# Altium PCB PCB1.PcbDoc (part 2 of 2)
Units mm, origin at the board's own origin, x right, y up, seen from the top; angles counter-clockwise.
Board outline 92 x 94 mm, 4 copper layers (Top Layer, GROUND, POWER, Bottom Layer), stack 1.369 mm thick; 127 components, 88 nets, 454 pads, 113 vias.
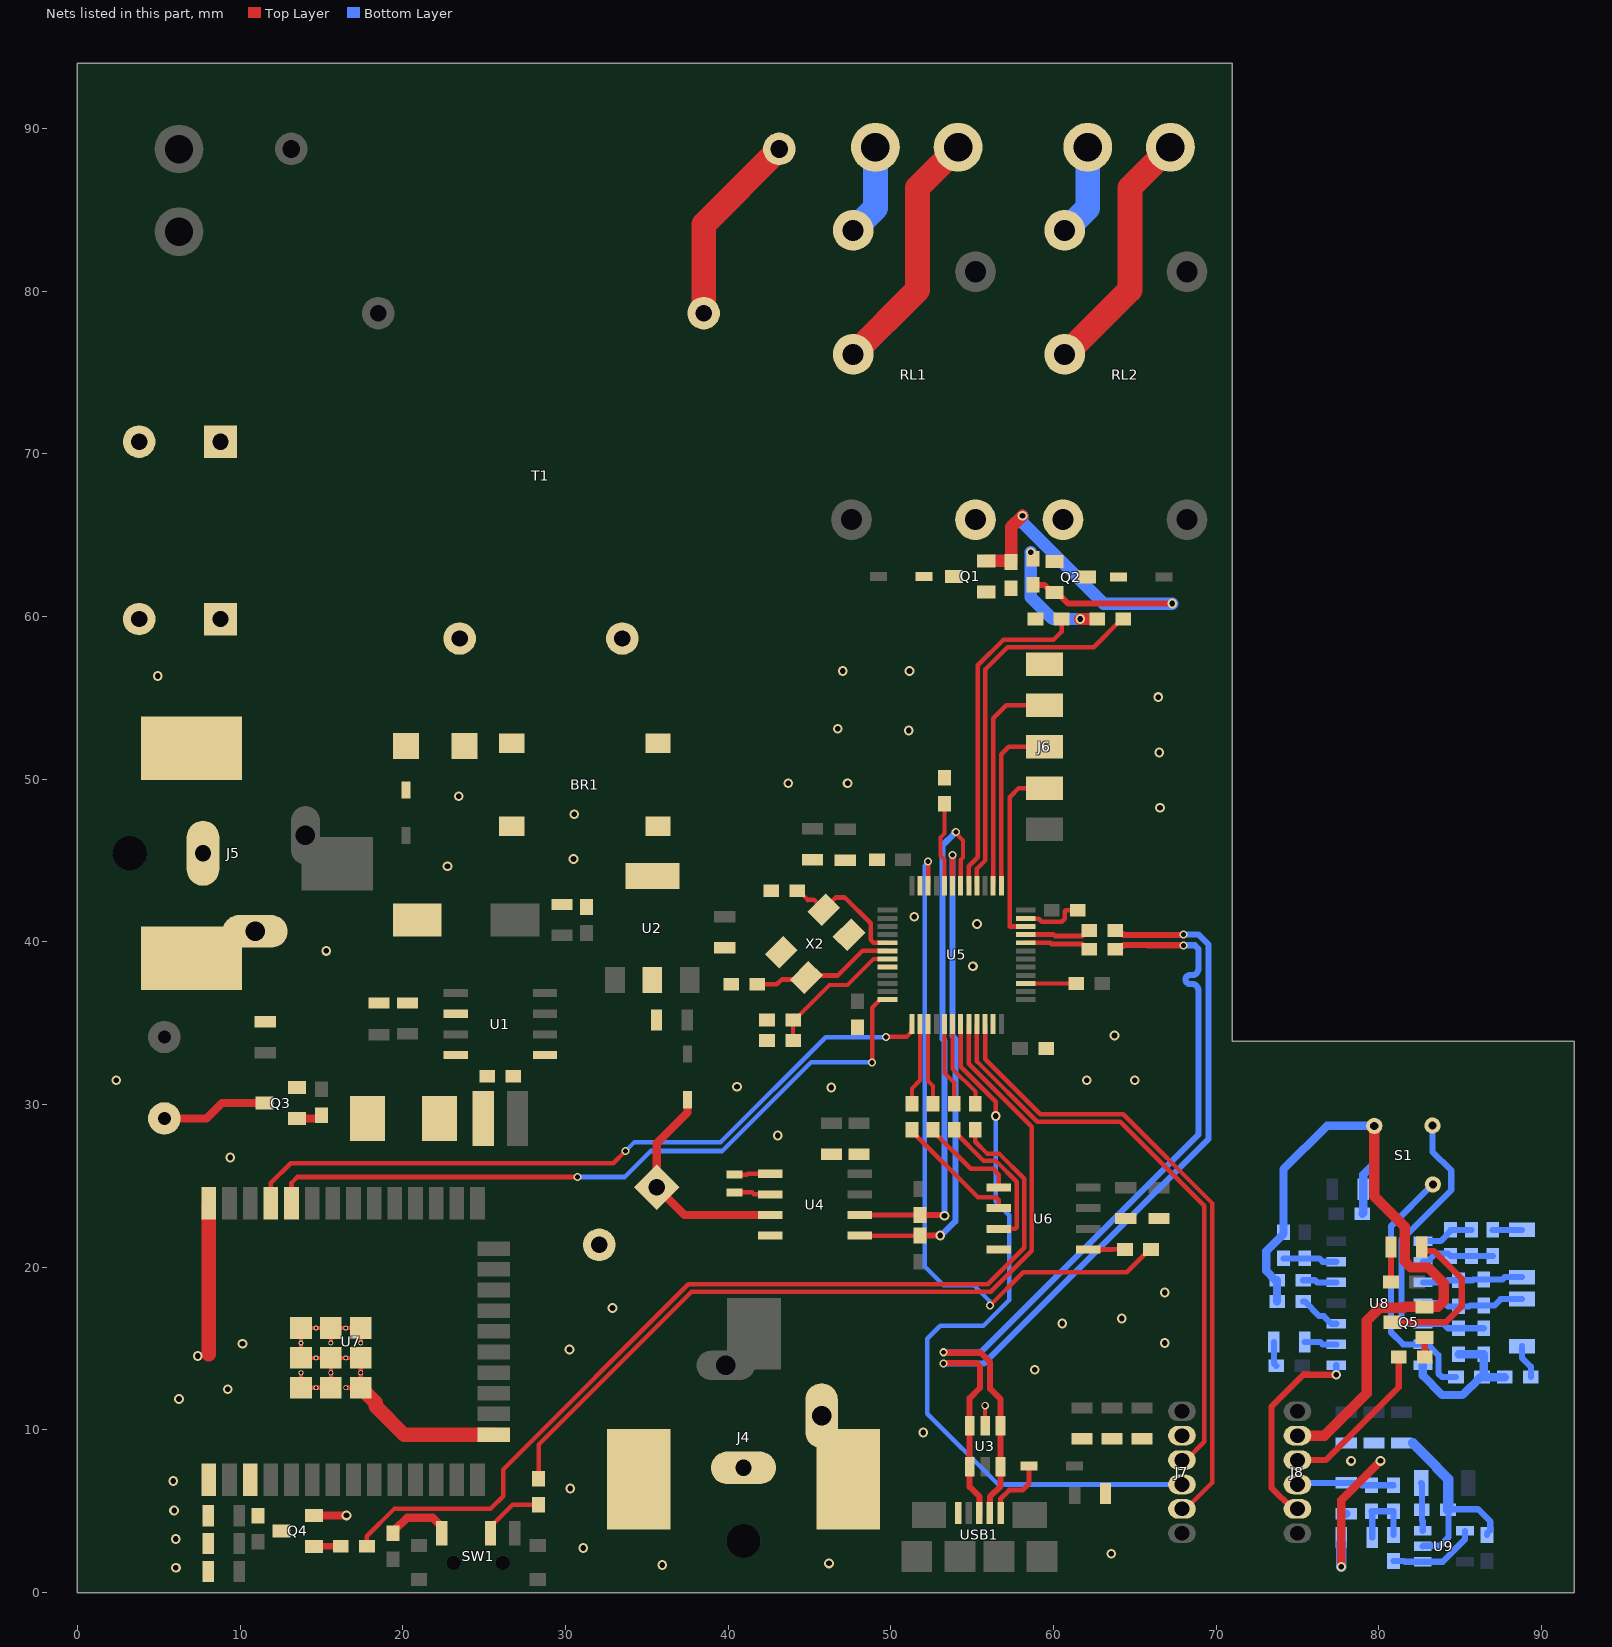
[diagram p4: the nets of this part, all layers, seen from the top]

## Via types
v1: diameter 0.6, hole 0.35, Top Layer to Bottom Layer, tented both sides, 91 vias
v2: diameter 0.5, hole 0.3, Top Layer to Bottom Layer, tented both sides, 11 vias
v3: diameter 0.5, hole 0.3, GROUND to Bottom Layer, tented both sides, 5 vias
v4: diameter 0.5, hole 0.3, Top Layer to GROUND, tented both sides, 4 vias
v5: diameter 0.45, hole 0.3, Top Layer to Bottom Layer, tented both sides, 2 vias

## Nets (pads, with @x,y where several pads share a name; then routed paths per layer and width w, separated by ;. In a path a pad name is that pad's centre, name@x,y a point inside that pad or via, vN(x,y) a via of type N, cw(c..) or ccw(c..) an arc to the next point about the centre after c; other vN are vias at no path point) (continued)
GND: BR1.4 C1.2 C2.2 C3.1 C4.1 C5.2 C7.1 C8.1 C9.1 C10.1 C11.1 C12.1 C13.1 C14.1 C15.2 C16.2 C17.1 C18.1 C19.2 C20.2 C21.1 C22.1 C23.1 C24.1 C25.1 C26.1 C27.1 C28.1 C29.1 C30.1 C31.1 C32.1 D4.1 J4.2 J4.3 J5.2 J5.3 J6.5 J7.2 Q1.2 Q2.2 Q3.2 Q4.2 R4.1 R5.1 R9.1 R10.1 U1.6 U2.2 U3.2 U4.4 U5.8 U5.23 U5.35 U5.47 U6.4 U7.1 U7.15 U7.38 U7.39 USB1.5 X2.2 X2.4 | length 69
  Top Layer w0.254: U7.39@13.75,13.515 U7.39@13.75,12.597 U7.39@14.667,12.597 U7.39@15.585,12.597 U7.39@15.585,13.515 U7.39@15.585,14.432 ; U7.39@15.585,15.35 U7.39@15.585,16.267 ; U7.39@16.502,12.597 U7.39@17.42,12.597 U7.39@17.42,13.515 U7.39@17.42,14.432 U7.39@16.502,14.432 U7.39@15.585,14.432 ; U7.39@17.42,15.35 U7.39@17.42,16.267 U7.39@16.502,16.267 U7.39@15.585,16.267 ; U3.2@55.8,10.255 v5(55.8,11.5) ; U7.39@15.585,14.432 U7.39@14.667,14.432 U7.39@13.75,14.432 U7.39@13.75,15.35 U7.39@13.75,16.267 U7.39@14.667,16.267 U7.39@15.585,16.267
  Top Layer w0.279: 58.95,41.42 59.105,41.42 59.286,41.239 60.514,41.239 60.7,41.425 60.7,41.886 60.764,41.95 C26.1@61.5,41.95
  Top Layer w0.381: R5.1@58.75,61.75 58.753,61.75 58.953,61.95 59.45,61.95 59.923,61.477 60.233,61.477 60.91,60.8 v1(67.3,60.8)
  Top Layer w0.508: Q4.2@14.545,4.75 v1(16.55,4.75)
  Top Layer w0.762: Q1.2@55.872,63.423 57.387,63.423 R4.1@57.4,63.41 ; R4.1@57.4,63.35 R4.1@57.4,63.41 ; v1(58.1,66.2) 57.4,65.5 R4.1@57.4,63.41
  Top Layer w0.889: 8.085,14.644 U7.38@8.085,23.932 ; U7.39@17.42,12.597 18.339,11.678 18.339,11.461 20.083,9.717 U7.15@25.595,9.717
  Bottom Layer w0.762: v1(58.1,66.2) 58.1,65.784 63.084,60.8 v1(67.3,60.8)
  other v1: 6.06,1.532 35.95,1.7 46.2,1.8 63.55,2.4 31.1,2.75 6.05,3.3 5.95,5.05 30.3,6.4 5.9,6.868 52,9.85 6.25,11.9 9.25,12.5 58.85,13.7 7.4,14.55 30.25,14.95 10.15,15.3 66.85,15.35 60.55,16.55 64.2,16.85 32.9,17.5 66.85,18.45 9.4,26.75 43.05,28.1 46.35,31.05 40.55,31.1 2.4,31.5 62.05,31.5 65,31.5 63.75,34.25 55.05,38.5 15.3,39.45 55.3,41.1 51.45,41.55 22.75,44.65 30.5,45.1 30.55,47.85 66.55,48.25 23.45,48.95 43.7,49.75 47.35,49.75 66.5,51.65 51.1,53 46.75,53.1 66.45,55.05 4.95,56.35 47.05,56.65 51.15,56.65
GND_S: C33.1 C34.1 C37.1 C39.1 C40.1 C41.1 C43.1 C44.1 C45.1 C46.1 C47.1 J8.2 Q5.2 R28.2 R29.2 R30.1 R31.2 R37.1 S1.3 U8.7 U9.2 | length 80.9
  Top Layer w0.508: v1(77.7,1.6) 77.7,5.7 v1(80.1,8.1)
  Top Layer w0.635: J8.2@75,9.65 76.65,9.65 79.263,12.263 79.263,16.709 80.072,17.518 81.535,17.518 81.59,17.573 Q5.2@82.822,17.573 83.631,17.573 84.003,17.945 84.003,19.024 83.038,19.989 81.967,19.989 81.595,20.361 81.595,22.505 79.724,24.376 S1.3@79.724,28.694
  Bottom Layer w0.381: U9.2@82.7,2.85 82.733,2.883 83.771,2.883 84.284,3.395 R37.1@84.284,5.1 ; R37.1@84.372,5.133 86.104,5.133 86.856,4.381 86.856,3.845 86.65,3.639 C45.1@86.65,3.55
  Bottom Layer w0.508: R29.2@73.75,17.9 R28.2@73.75,19.2 73.661,19.2 73.088,19.773 73.088,20.999 74.15,22.061 C37.1@74.15,22.15 74.15,26.032 76.812,28.694 S1.3@79.724,28.694 79.724,26.378 79.05,25.704 C34.1@79.05,24.8 79.05,23.35 C33.1@79,23.3 ; C46.1@77.7,3.05 C46.1@77.7,3.4 ; C47.1@77.796,4.754 77.892,4.85 C47.1@78,4.85 ; U8.7@82.71,13.99 82.71,13.34 83.9,12.15 85.137,12.15 85.664,12.677 85.688,12.677 86.261,13.25 C43.1@86.35,13.25 ; R30.1@84.9,14.65 C44.1@86.45,14.65 86.45,13.35 C43.1@86.35,13.25 ; R31.2@87.75,13.25 C43.1@86.35,13.25
  Bottom Layer w0.635: v1(77.7,1.6) C46.1@77.7,3.05 ; 82.1,9.2 83.545,7.755 83.545,7.705 84.269,6.981 R37.1@84.269,5.1
  other v1: 78.3,8.1
LED_DRIVER: J7.3 U5.21 | length 36.3
  Top Layer w0.279: U5.21@55.3,34.95 55.3,32.65 59.007,28.943 64.107,28.943 69.268,23.782 69.268,9.268 68.15,8.15 J7.3@67.9,8.15
LED_S: J8.3 R33.1 | length 9.9
  Top Layer w0.381: J8.3@75,8.15 76.75,8.15 81.223,12.623 R33.1@81.223,14.477
"LIGHT 1 GND": J2.2 RL1.3 | length 5.7
  Bottom Layer w1.524: RL1.3@47.69,83.74 49.06,85.11 J2.2@49.06,88.85
"LIGHT 1 VCC": J2.1 RL1.2 | length 15.4
  Top Layer w1.524: RL1.2@47.69,76.12 51.65,80.08 51.65,86.36 J2.1@54.14,88.85
"LIGHT 2 GND": J3.2 RL2.3 | length 5.7
  Bottom Layer w1.524: RL2.3@60.74,83.74 62.11,85.11 J3.2@62.11,88.85
"LIGHT 2 VCC": J3.1 RL2.2 | length 15.4
  Top Layer w1.524: RL2.2@60.74,76.12 64.7,80.08 64.7,86.36 J3.1@67.19,88.85
MCU_N: R6.1 U5.32 | length 4.1
  Top Layer w0.3: U5.32@58.3,39.95 58.302,39.952 59.8,39.952 59.875,39.877 61.784,39.877 62.111,39.55 R6.1@62.2,39.55
MCU_P: R7.1 U5.33 | length 4.1
  Top Layer w0.3: U5.33@58.3,40.45 58.302,40.448 60.005,40.448 60.08,40.373 61.784,40.373 62.111,40.7 R7.1@62.2,40.7
NetBR1_1: BR1.1 T1.9
NetBR1_2: BR1.2 T1.7
NetBR1_3: BR1.3 F1.1
NetBZ1_1: BZ1.1 Q3.3 | length 6.6
  Top Layer w0.508: BZ1.1@5.35,29.15 7.95,29.15 8.9,30.1 Q3.3@11.51,30.1
NetC1_1: C1.1 C2.1 D8.2 F1.2
NetC6_1: C6.1 U1.1
NetC6_2: C6.2 D4.2 L1.1 U1.8
NetC15_1: C15.1 U5.6 X2.1 | length 8.8
  Top Layer w0.279: C15.1@41.8,37.4 43,37.4 43.29,37.69 44.696,37.69 X2.1@44.82,37.814 44.943,37.938 46.753,37.938 48.265,39.45 U5.6@49.8,39.45
NetC16_1: C16.1 D5.1 U4.3 | length 13.8
  Top Layer w0.508: D5.1@37.5,30.3 37.5,29.521 35.618,27.639 C16.1@35.618,24.918 37.321,23.215 U4.3@42.6,23.215
NetC19_1: C19.1 U5.5 X2.3 | length 8.1
  Top Layer w0.279: C19.1@44.25,43.15 44.339,43.15 44.912,42.577 44.943,42.608 45.259,42.608 X2.3@45.88,41.986 46.626,42.731 47.169,42.731 48.761,41.139 48.761,40.125 48.936,39.95 U5.5@49.8,39.95
NetC35_1: C35.1 R24.1 R25.2 U8.2 | length 4.6
  Bottom Layer w0.381: U8.2@82.71,20.34 83.01,20.34 83.11,20.439 83.11,20.459 83.5,20.85 84.25,20.85 C35.1@84.4,20.7 R24.1@85.7,20.7 R25.2@87,20.7
NetC35_2: C35.2 R24.2 U8.1 | length 3.3
  Bottom Layer w0.381: U8.1@82.71,21.61 83.799,21.61 84.4,22.211 C35.2@84.4,22.3 R24.2@85.7,22.3
NetC36_1: C36.1 C38.1 R27.2 U8.3 | length 6.2
  Bottom Layer w0.381: U8.3@82.71,19.07 84.122,19.07 84.252,19.2 R27.2@84.9,19.2 85.752,19.2 85.802,19.25 C38.1@86.45,19.25 87.596,19.25 87.746,19.4 C36.1@88.8,19.4
NetC36_2: C36.2 R25.1 | length 1.8
  Bottom Layer w0.381: R25.1@87,22.3 C36.2@88.8,22.3
NetC37_2: C37.2 R23.1 U8.13 | length 3.3
  Bottom Layer w0.381: C37.2@74.15,20.55 R23.1@75.45,20.55 76.336,20.55 76.546,20.34 U8.13@77.39,20.34
NetC38_2: C38.2 C42.2 R27.1 U8.4 | length 6.4
  Bottom Layer w0.381: U8.4@82.71,17.8 84.052,17.8 84.252,17.6 R27.1@84.9,17.6 85.548,17.6 85.598,17.65 C38.2@86.45,17.65 87.098,17.65 87.498,18.05 C42.2@88.8,18.05
NetC42_1: C42.1 R31.1 | length 2.1
  Bottom Layer w0.381: C42.1@88.8,15.15 88.8,14.446 89.348,13.898 89.35,13.898 R31.1@89.35,13.25
NetC43_2: C43.2 S1.1 U8.6 | length 16
  Bottom Layer w0.381: S1.1@83.324,25.094 80.75,22.521 80.75,16 81.49,15.26 83.01,15.26 83.668,14.602 83.668,13.473 83.891,13.25 C43.2@84.75,13.25
NetC44_2: C44.2 R30.2 S1.2 U8.5 | length 19
  Bottom Layer w0.381: S1.2@83.298,28.711 83.298,27.108 84.45,25.957 84.45,24.751 81.4,21.701 81.4,16.753 81.623,16.53 83.972,16.53 84.252,16.25 R30.2@84.9,16.25 C44.2@86.45,16.25
NetC46_2: C46.2 R34.1 R35.2 R36.1 | length 4.4
  Bottom Layer w0.381: C46.2@79.6,3.4 79.6,4.95 R36.1@79.55,5 R34.1@80.9,5 R35.2@80.9,3.55
NetD1_2: D1.2 Q1.3 RL1.4
NetD2_2: D2.2 Q2.3 RL2.5
NetD3_2: D3.2 USB1.1 | length 4.1
  Top Layer w0.305: USB1.1@56.75,4.888 56.75,5.769 57.281,6.3 58.1,6.3 58.5,6.7 D3.2@58.5,7.8
NetD6_1: D6.1 R26.1 | length 1.5
  Bottom Layer w0.381: D6.1@73.55,15.4 73.55,14.1 R26.1@73.7,13.95
NetD6_2: D6.2 U8.9 | length 2
  Bottom Layer w0.381: D6.2@75.45,15.4 76.406,15.4 76.546,15.26 U8.9@77.39,15.26
NetD7_1: D7.1 R32.1 | length 2
  Top Layer w0.381: R32.1@80.75,19 D7.1@80.75,21
NetD7_2: D7.2 Q5.3 | length 9.5
  Top Layer w0.381: Q5.3@80.832,16.623 84.123,16.623 85.1,17.6 85.1,19.3 83.4,21 D7.2@82.65,21
NetJ7_5: J7.5 U5.22 | length 39.5
  Top Layer w0.279: U5.22@55.8,34.95 55.8,32.8 59.2,29.4 64.3,29.4 69.75,23.95 69.75,6.75 68.15,5.15 J7.5@67.9,5.15
NetJ8_5: J8.5 U8.8 | length 12.5
  Top Layer w0.381: J8.5@75,5.15 74.7,5.15 73.4,6.45 73.4,11.443 75.353,13.395 v1(77.39,13.395)
  Bottom Layer w0.381: v1(77.39,13.395) U8.8@77.39,13.99
NetQ1_1: Q1.1 R2.1 R4.2
NetQ2_1: Q2.1 R3.1 R5.2 | length 7.4
  Top Layer w0.762: v1(61.65,59.85) R3.1@62.7,59.85
  Bottom Layer w0.762: v1(58.6,63.955) 58.6,61.2 59.95,59.85 v1(61.65,59.85)
NetQ3_1: Q3.1 R16.2 | length 1.1
  Top Layer w0.508: Q3.1@13.5,29.15 14.6,29.15
NetQ4_1: Q4.1 R20.2 | length 1.7
  Top Layer w0.381: Q4.1@14.545,2.85 16.15,2.85 R20.2@16.2,2.8
NetQ5_1: Q5.1 R33.2 | length 1.2
  Top Layer w0.381: R33.2@82.822,14.493 Q5.1@82.822,15.673
NetR1_2: R1.2 T1.1 | length 12
  Top Layer w1.524: T1.1@38.5,78.65 38.5,84.1 R1.2@43.15,88.75
NetR2_2: R2.2 U5.41 | length 20.6
  Top Layer w0.279: U5.41@54.8,43.45 54.8,44.65 55.35,45.2 55.35,57 56.93,58.58 60.005,58.58 60.5,59.075 R2.2@60.5,59.85
NetR3_2: R3.2 U5.40 | length 23.3
  Top Layer w0.279: U5.40@55.3,43.45 55.3,44.503 55.807,45.011 55.807,56.75 57.18,58.122 62.484,58.122 64.211,59.85 R3.2@64.3,59.85
NetR8_1: R8.1 U5.18 | length 5.5
  Top Layer w0.254: U5.18@53.8,34.95 53.8,32.2 55.2,30.8 R8.1@55.2,30.05
NetR10_2: R10.2 U5.44 | length 5.3
  Top Layer w0.254: U5.44@53.3,43.45 53.3,45.065 53.05,45.315 53.05,46.41 53.3,46.66 R10.2@53.3,48.5
NetR11_1: R11.1 U5.27 | length 3.1
  Top Layer w0.254: U5.27@58.3,37.45 59.281,37.45 R11.1@61.4,37.45
NetR12_1: R12.1 U6.1 | length 6
  Top Layer w0.279: R12.1@52.6,28.45 52.6,28.361 54.911,26.05 56.3,26.05 56.65,25.7 U6.1@56.65,24.905
NetR13_1: R13.1 U6.3 | length 9.2
  Top Layer w0.279: R13.1@53.9,28.45 53.9,28.361 55.724,26.537 56.467,26.537 57.75,25.254 57.75,22.461 57.654,22.365 U6.3@56.65,22.365
NetR14_1: R14.1 U6.2 | length 7.7
  Top Layer w0.279: R14.1@51.3,28.45 51.3,28.361 55.361,24.3 56.489,24.3 56.65,24.139 U6.2@56.65,23.635
NetR15_1: R15.1 U6.5 | length 2.3
  Top Layer w0.279: U6.5@62.15,21.095 63.658,21.095 63.663,21.1 R15.1@64.4,21.1
NetR21_1: R21.1 SW1.1 | length 4.1
  Top Layer w0.508: R21.1@19.4,3.65 19.54,3.79 19.54,3.879 20.261,4.6 21.85,4.6 22.304,4.146 22.304,3.746 SW1.1@22.4,3.65
NetR22_2: R22.2 SW1.2 | length 3.9
  Top Layer w0.279: SW1.2@25.4,3.65 25.4,4.05 26.75,5.4 R22.2@28.35,5.4
NetR28_1: R28.1 U8.12 | length 2.1
  Bottom Layer w0.381: R28.1@75.35,19.2 76.087,19.2 76.217,19.07 U8.12@77.39,19.07
NetR29_1: R29.1 U8.10 | length 2.6
  Bottom Layer w0.381: R29.1@75.35,17.9 75.439,17.9 76.339,17 76.62,17 77.09,16.53 U8.10@77.39,16.53
NetR35_1: R35.1 U9.1 U9.4 | length 5.5
  Bottom Layer w0.381: R35.1@80.9,1.95 81.548,1.95 81.598,1.9 U9.1@82.7,1.9 83.929,1.9 85.3,3.271 U9.4@85.3,3.8
NetR37_2: R37.2 RT1.1 U9.3 | length 3
  Bottom Layer w0.381: RT1.1@82.6,6.75 82.65,6.7 82.65,4.452 82.7,4.402 U9.3@82.7,3.8
NetU4_1: U4.1 X1.2 | length 2.2
  Top Layer w0.279: X1.2@40.4,25.7 41.154,25.7 41.209,25.755 U4.1@42.6,25.755
NetU4_2: U4.2 X1.1 | length 2.2
  Top Layer w0.279: X1.1@40.4,24.6 41.481,24.6 41.596,24.485 U4.2@42.6,24.485
NRST: C20.1 R9.2 U5.7 | length 8.6
  Top Layer w0.254: C20.1@44,33.95 44,34.598 R9.2@44,35.2 44.089,35.2 46.232,37.343 47.331,37.343 48.938,38.95 U5.7@49.8,38.95
RTC_SCL: R17.1 U4.6 U5.42 | length 32.7
  Top Layer w0.254: v2(54,46.75) 54,46.683 54.45,46.233 54.45,45.198 54.3,45.048 U5.42@54.3,43.45
  Top Layer w0.279: U4.6@48.1,23.215 R17.1@51.785,23.215
  Top Layer w0.381: R17.1@51.796,23.215 53.195,23.215 53.245,23.165 v1(53.305,23.165)
  Bottom Layer w0.381: v1@53.309,23.25 53.309,33.914 53.182,34.042 53.182,45.932 v2(54,46.75)
RTC_SDA: R18.1 U4.5 U5.43 | length 30.8
  Top Layer w0.279: U4.5@48.1,21.945 51.755,21.945 R18.1@51.8,21.9
  Top Layer w0.305: U5.43@53.8,43.45 v2(53.8,45.35)
  Top Layer w0.381: R18.1@51.755,21.995 R18.1@51.8,21.95 v1(53.05,21.95)
  Bottom Layer w0.381: v1@53.05,21.9 53.977,22.827 53.977,34.036 53.8,34.214 v2(53.8,45.35)
"SENSOR ON/OFF": R22.1 U5.20 | length 52.9
  Top Layer w0.279: R22.1@28.35,7 28.35,9.1 37.75,18.5 56.151,18.5 58.664,21.014 58.664,28.639 54.8,32.503 U5.20@54.8,34.95
SWCLK: J6.3 U5.37 | length 10.9
  Top Layer w0.279: U5.37@56.8,43.45 56.8,51.543 57.257,52 J6.3@59.45,52
SWDIO: J6.2 U5.34 | length 11.3
  Top Layer w0.279: U5.34@58.3,40.95 57.309,40.95 57.309,48.905 57.864,49.46 J6.2@59.45,49.46
TDI: J6.4 U5.38 | length 13.8
  Top Layer w0.279: U5.38@56.3,43.45 56.3,53.75 57.09,54.54 J6.4@59.45,54.54
TEMP_ADC: C47.2 J8.4 R34.2 R36.2 | length 6
  Bottom Layer w0.381: J8.4@75,6.65 75.1,6.75 78.8,6.75 78.95,6.6 R34.2@80.9,6.6
TEMP_IN_CS: R14.2 U5.14 | length 5.1
  Top Layer w0.254: R14.2@51.3,30.05 51.3,31 51.8,31.5 U5.14@51.8,34.95
TEMP_IN_OT: R15.2 U5.46 | length 43
  Top Layer w0.279: U5.46@52.3,43.45 v2(52.3,44.95) ; v2(56.102,17.648) 58.153,19.7 64.511,19.7 65.911,21.1 R15.2@66,21.1
  Bottom Layer w0.279: v2(52.3,44.95) 52.3,44.89 52.1,44.69 52.1,20.05 53.238,18.912 55.088,18.912 56.1,17.9 56.1,17.65 v2(56.102,17.648)
TEMP_IN_SCLK: R12.2 U5.15 | length 5
  Top Layer w0.254: U5.15@52.3,34.95 52.3,31.45 52.6,31.15 R12.2@52.6,30.05
TEMP_IN_SIO: R13.2 U5.17 | length 5.6
  Top Layer w0.254: U5.17@53.3,35.428 53.3,31.95 53.9,31.35 R13.2@53.9,30.05
TEMPERATURE_ADC: J7.4 U5.19 | length 46.3
  Top Layer w0.279: U5.19@54.3,34.95 54.3,32.329 56.45,30.179 v1(56.45,29.3)
  Bottom Layer w0.279: v1(56.45,29.3) 56.45,24.042 57.288,23.204 57.288,17.988 55.7,16.4 53.05,16.4 52.25,15.6 52.25,11 56.6,6.65 J7.4@67.9,6.65
USB_N: R6.2 U3.1 U3.6 USB1.2 | length 51.9
  Top Layer w0.373: v2(53.25,14.775) 53.34,14.775 53.365,14.75 55.528,14.75 56.114,14.164 56.114,12.536 56.75,11.9 U3.1@56.75,10.255 56.75,6.55 56.089,5.889 56.089,4.899 USB1.2@56.1,4.888 ; R6.2@63.8,39.55 64.007,39.757 64.26,39.757 64.315,39.811 65.785,39.811 65.799,39.797 67.676,39.797 67.677,39.796 67.976,39.796 v2(68,39.772)
  Bottom Layer w0.373: v2(53.25,14.775) 55.525,14.775 68.909,28.159 68.909,36.85 68.909,37.037 ccw(c68.536,37.037) 68.536,37.41 68.396,37.41 cw(c68.396,37.686) 68.396,37.961 68.536,37.961 ccw(c68.536,38.334) 68.909,38.334 68.909,39.15 68.909,39.578 68.691,39.796 68.024,39.796 v2(68,39.772)
USB_P: R7.2 U3.3 U3.4 USB1.3 | length 51.9
  Top Layer w0.373: v2(53.25,14.097) 53.275,14.123 55.268,14.123 55.486,13.904 55.486,12.586 54.85,11.95 U3.3@54.85,10.255 U3.4@54.85,7.745 54.85,6.5 55.461,5.889 55.461,4.899 USB1.3@55.45,4.888 ; R7.2@63.8,40.7 64.007,40.493 64.26,40.493 64.315,40.439 66.045,40.439 66.059,40.425 67.676,40.425 67.677,40.426 67.976,40.426 v2(68,40.45)
  Bottom Layer w0.373: v2(53.25,14.097) 55.735,14.097 69.537,27.899 69.537,39.838 68.924,40.45 v2(68,40.45)
WIFI_EN: R8.2 R20.1 | length 58.3
  Top Layer w0.279: R20.1@17.8,2.85 17.8,3.475 19.497,5.172 25.422,5.172 26.173,5.923 26.173,7.57 37.561,18.957 55.961,18.957 58.207,21.203 58.207,25.443 56.656,26.994 55.919,26.994 55.2,27.713 R8.2@55.2,28.45
WIFI_OUT: Q4.3 R19.2 U7.3
WIFI_RXD: U5.12 U7.34 | length 44.5
  Top Layer w0.279: U7.34@13.165,23.932 13.165,25.187 13.528,25.55 v3(30.75,25.55) ; v4(48.85,32.6) 48.85,35.957 49.343,36.45 U5.12@49.8,36.45
  Bottom Layer w0.279: v3(30.75,25.55) 33.65,25.55 35.25,27.15 39.65,27.15 45.1,32.6 v4(48.85,32.6)
  other v3: 48.85,32.6
  other v4: 30.75,25.55
WIFI_TXD: U5.13 U7.35 | length 45
  Top Layer w0.279: U7.35@11.895,23.932 11.895,25.187 13.109,26.4 32.95,26.4 v3(33.7,27.15) ; v4(49.7,34.15) 49.711,34.161 50.968,34.161 51.3,34.493 U5.13@51.3,34.95
  Bottom Layer w0.279: v3(33.7,27.15) 34.25,27.7 39.553,27.7 46.003,34.15 v4(49.7,34.15)
  other v3: 49.7,34.15
  other v4: 33.7,27.15
pads on no net: J4. J5. J7.6 J8.6 RL1.1 RL2.1 SW1. SW1.3 U1.2 U1.3 U1.5 U4.7 U5.1 U5.2 U5.3 U5.4 U5.10 U5.11 U5.16 U5.25 U5.26 U5.28 U5.29 U5.30 U5.31 U5.39 U5.45 U6.6 U6.7 U7.4 U7.5 U7.6 U7.7 U7.8 U7.9 U7.10 U7.11 U7.12 U7.13 U7.14 U7.16 U7.17 U7.18 U7.19 U7.20 U7.21 U7.22 U7.23 U7.24 U7.25 U7.26 U7.27 U7.28 U7.29 U7.30 U7.31 U7.32 U7.33 U7.36 U7.37 U8.11 USB1. USB1.4

## Polygon pours and split planes (outlines as drawn)
no net on Top Layer "NONET_L-01_P-001" (solid, pour order 36): 621 vertices, not listed, extent 82.826,0.762 91.096,9.097
GND on Top Layer "GND_L01_P023" (solid, remove dead copper, pour order 23): 6.636,75.51 2.986,75.51 2.086,74.61 2.086,27.66 3.736,26.01 26.836,26.01 28.286,24.559 28.286,9.61 28.286,3.314 30.34,1.26 68.836,1.26 70.837,3.261 70.837,56.558 68.236,59.16 46.386,59.16 37.886,50.659 17.036,50.659 7.486,60.21 7.486,74.66
GND_S on Top Layer "Top Layer-GND_S" (solid, pour order 30): 71.95,2.453 73.803,0.6 82.4,0.6 82.4,7.9 83.8,9.3 90.05,9.3 91.4,10.65 91.35,10.7 91.35,13.55 91.4,13.55 91.3,30.7 89.2,32.8 74.453,32.8 71.95,30.297
GND on Top Layer "Top Layer-GND" (solid, pour order 22): 10.65,10.55 13.5,10.55 18.75,10.55 19.25,11.05 19.25,17 18.15,18.1 6.8,18.1 4.8,16.1 4.8,1.05 5.3,0.55 8.75,0.55 9.25,1.05 9.25,5.15 8.65,5.75 8.65,8.35
+3V3DC on Top Layer "+3V3DC_L01_P016" (solid, pour order 16): 36.795,31.85 38.15,31.85 38.55,32.25 38.55,39.859 39.258,40.567 40.117,40.567 41.15,41.6 41.15,44.6 42.467,45.917 49.792,45.917 50.15,45.559 50.15,44.681 51.05,44.083 51.05,42.867 51.45,42.867 51.45,45.959 49.542,47.867 42.042,47.867 38.742,44.567 36.3,42.125 36.3,32.4
NetBR1_2 on Top Layer "NONET_L-01_P-001" (solid, pour order 0): 22.4,60.85 21.4,59.85 21.4,57.65 22.5,56.55 27.6,56.55 33.3,50.85 36.95,50.85 37.35,51.25 37.35,53.15 36.95,53.55 34.5,53.55 27.2,60.85
NetBR1_1 on Top Layer "NONET_L-01_P-001" (solid, pour order 1): 32.85,60.85 31.65,59.65 31.65,57.85 33,56.5 35.85,56.5 38.6,53.75 38.6,49.9 37.45,48.75 34.45,48.75 33.9,48.2 33.9,46.85 34.4,46.35 39.2,46.35 40.9,48.05 40.9,55.95 36,60.85
NetC1_1 on Top Layer "NETC1_1_L01_P005" (solid, pour order 5): 6.8,71.95 7.85,73 9.85,73 10.95,71.9 10.95,60.5 17.9,53.55 20.5,53.55 21.25,52.8 21.25,49 20.45,48.2 19.4,48.2 18.25,48.2 9.1,57.35 7.85,57.35 6.8,58.4
+5VDC on Top Layer "Top Layer-+5VDC" (solid, pour order 10): 26.5,27.3 31.5,27.3 33.2,29 33.2,36.3 33.9,37 33.9,39 31.8,41.1 28.98,41.1 28.6,41.48 28.6,42.4 27.9,43.1 25.8,43.1 25,42.3 25,38.4 27.341,36.059 29.599,36.065 29.839,36.063 30.4,35.498 30.4,31.4 29.9,30.9 26.4,30.9 26.2,30.7 26.2,27.6
GND on Bottom Layer "Bottom Layer-GND" (solid, remove dead copper, pour order 25): 4.75,1.7 5.85,0.6 68.05,0.6 70.2,2.75 70.2,56.35 69.1,57.45 43.7,57.45 40.05,53.8 9.1,53.8 5.9,57 5.9,71.85 4.75,73 2.05,73 1.15,72.1 1.15,50.45 1.15,38 3.1,36.05 7.75,36.05 10.65,36.05 11.9,34.8 11.9,28.9 14.2,26.6 25.1,26.6 27.75,23.95 27.75,6.8 26.65,5.7 5.7,5.7 4.75,4.75
GND_S on Bottom Layer "NONET_L-01_P-001" (solid, remove dead copper, pour order 26): 89.2,32.8 91.3,30.7 91.3,2.7 89.2,0.6 73.803,0.6 71.95,2.453 71.95,30.297 74.453,32.8
no net on Top Solder "NONET_L-01_P-001" (solid, pour order 34): 621 vertices, not listed, extent 82.826,0.762 91.096,9.097
+3V3DC on POWER (split plane): 11.8,54.6 11.85,54.6 11.85,54.4 44.568,54.4 44.568,54.067 41.883,51.382 14.1,51.382 14.027,51.372 13.979,51.352 13.959,51.344 13.901,51.299 11.801,49.199 11.756,49.141 11.748,49.121 11.728,49.073 11.718,49 11.718,42.9 11.728,42.827 11.748,42.779 11.756,42.759 11.801,42.701 14.618,39.883 14.618,33.5 14.628,33.427 14.656,33.359 14.701,33.301 16.301,31.701 16.359,31.656 16.427,31.628 16.5,31.618 20.2,31.618 20.273,31.628 20.341,31.656 20.399,31.701 21.999,33.301 22.044,33.359 22.072,33.427 22.082,33.5 22.082,36.8 22.072,36.873 22.044,36.941 21.999,36.999 18.982,40.017 18.982,42.983 21.417,45.418 46.95,45.418 47.023,45.428 47.091,45.456 47.149,45.501 59.967,58.318 63.9,58.318 63.973,58.328 64.041,58.356 64.099,58.401 69.899,64.201 69.944,64.259 69.952,64.279 69.972,64.327 69.982,64.4 69.982,67.45 70.49,67.45 70.49,34.014 70.484,33.99 70.477,33.9 70.477,0.51 0.51,0.51 0.51,5.783 7.485,5.783 7.485,25.083 0.51,25.083 0.51,76.8 11.8,76.8
+12VDC on POWER (split plane): 69.418,64.517 63.783,58.882 59.85,58.882 59.777,58.872 59.709,58.844 59.651,58.799 46.833,45.982 21.3,45.982 21.227,45.972 21.179,45.952 21.159,45.944 21.101,45.899 18.501,43.299 18.456,43.241 18.428,43.173 18.418,43.1 18.418,39.9 18.428,39.827 18.448,39.779 18.456,39.759 18.501,39.701 21.518,36.683 21.518,33.617 20.083,32.182 16.617,32.182 15.182,33.617 15.182,40 15.172,40.073 15.156,40.113 15.144,40.141 15.099,40.199 12.282,43.017 12.282,48.883 14.217,50.818 42,50.818 42.073,50.828 42.121,50.848 42.141,50.856 42.199,50.901 45.049,53.751 45.094,53.809 45.122,53.877 45.132,53.95 45.132,67.083 45.499,67.45 49.451,67.45 49.618,67.283 49.618,65.4 49.628,65.327 49.648,65.279 49.656,65.259 49.701,65.201 52.851,62.051 52.909,62.006 52.977,61.978 53.05,61.968 62.25,61.968 62.323,61.978 62.391,62.006 62.449,62.051 65.799,65.401 65.844,65.459 65.872,65.527 65.882,65.6 65.882,67.283 66.049,67.45 69.418,67.45
+3V3DC_S on POWER (split plane): 91.49,0.51 71.623,0.51 71.623,33.39 91.49,33.39
+5VDC on POWER (split plane): 31.667,30.841 31.667,29.059 27.029,24.421 26.982,24.363 26.946,24.297 26.925,24.225 26.917,24.15 26.917,14.6 26.925,14.525 26.946,14.453 26.982,14.387 27.029,14.329 28.379,12.979 28.437,12.932 28.503,12.896 28.575,12.875 28.65,12.867 34.05,12.867 34.125,12.875 34.197,12.896 34.263,12.932 34.321,12.979 38.459,17.117 41.541,17.117 42.967,15.691 42.967,12.859 40.991,10.883 26.359,10.883 24.533,12.709 24.533,27.941 28.409,31.817 30.691,31.817
+3V3DC on POWER (split plane): 65.318,67.4 65.318,65.717 62.133,62.532 53.167,62.532 50.182,65.517 50.182,67.4 50.175,67.45 65.325,67.45
GND on GROUND (split plane): 11.85,54.4 45,54.4 45,67.45 70.49,67.45 70.49,33.964 70.484,33.94 70.477,33.85 70.477,0.51 0.51,0.51 0.51,5.683 7.135,5.683 7.135,25.083 0.51,25.083 0.51,76.8 11.85,76.8
GND_S on GROUND (split plane): 91.49,0.51 71.623,0.51 71.623,33.39 91.49,33.39

## Keep-outs
Top Layer:
  circle w0.254: c66.5,34 r1.5
Keep-Out Layer:
  the board outline again, w0.254

## Other copper
Top Layer:
  region: 66.5,34.5 cw(c66.5,34) 67,34 cw(c66.5,34) 66.5,33.5 cw(c66.5,34) 66,34 cw(c66.5,34)
  pour cut-out: 1016 vertices and 0 holes, not listed, extent 83.431,1.094 90.793,8.734
  pour cut-out: 226 vertices and 0 holes, not listed, extent 83.152,2.437 84.106,7.315
  pour cut-out: 1016 vertices and 0 holes, not listed, extent 83.431,1.094 90.793,8.734
  pour cut-out: 226 vertices and 0 holes, not listed, extent 83.152,2.437 84.106,7.315
  region net NetJ8_5: 74.05,5.8 74.05,4.8 74.35,4.5 75.65,4.5 76.3,5.15 75.65,5.8
  region net LED_S: 74.3,8.75 74.05,8.5 74.05,7.8 74.35,7.5 75.65,7.5 76.3,8.15 75.7,8.75
  region net GND_S: 74.3,10.25 74.05,10 74.05,9.3 74.35,9 75.65,9 76.3,9.65 75.7,10.25
  region net +3V3DC_S: 74.3,11.75 74.05,11.5 74.05,10.8 74.3,10.55 75.7,10.55 76.3,11.15 75.7,11.75
  pour cut-out: 56.424,33.959 57.65,32.734 57.65,32.3 58.801,31.149 58.801,30.852 58.848,30.852 59.924,29.776 59.355,29.776 56.176,32.956 56.176,33.959
  region net GND: 8.1,18.95 7.65,18.95 6.7,18 9.45,18 8.45,19
  region net +3V3DC: 8.8,5.95 9.15,5.6 9.45,5.6 9.6,5.45 9.6,0.65 13.05,0.65 13.6,1.2 13.6,1.4 13.05,1.95 12.05,1.95 11.7,2.3 11.7,3.4 11.45,3.65 10.7,3.65 10.45,3.9 10.45,5.3 9.9,5.85 9.9,8.05 9.75,8.2 8.95,8.2 8.8,8.05
  region net WIFI_OUT: 10.15,8.05 10.3,8.2 11.05,8.2 11.15,8.1 11.15,5.6 11.55,5.2 11.55,4.65 11.9,4.3 13.15,4.3 13.35,4.1 13.35,3.3 13.15,3.1 12.15,3.1 12,3.25 12,3.45 11.35,4.1 10.85,4.1 10.69,4.26 10.69,5.41 10.15,5.95
  region net +12VDC: 67.15,61.85 66.3,61.85 65.95,62.2 65.95,66.6 67,67.65 69.35,67.65 69.9,67.1 69.9,64.6 67.2,61.9
  region net NetD2_2: 61.4,61.9 61.8,61.5 64.6,61.5 64.9,61.8 64.9,62.55 64.6,62.85 63.05,62.85 62.65,63.25 62.65,66.8 61.9,67.55 59.7,67.55 59.2,67.05 59.2,65.2 59.7,64.7 60.95,64.7 61.4,64.25
  region net NetQ2_1: 58.405,64.45 60.5,64.45 60.95,64 60.95,62.95 60.7,62.7 58.3,62.7 58.1,62.9 58.1,64.115
  region net NetQ1_1: 55,62.1 55.35,62.45 57.85,62.45 58.1,62.2 58.1,60.8 58.45,60.45 59.3,60.45 59.6,60.15 59.6,59.25 59.4,59.05 55.55,59.05 55,59.6
  region net NetD1_2: 54.65,63.65 55.4,64.4 56.4,64.4 56.75,64.75 56.75,67.4 56.35,67.8 52.25,67.8 51.25,66.8 51.25,63.1 51.25,62.05 51.65,61.65 54.256,61.65 54.65,62.1 54.65,63.05
  region net +12VDC: 49.8,61.75 50.1,62.05 50.1,63.75 48.95,64.9 48.95,67.15 48.25,67.85 46.25,67.85 45.25,66.85 45.25,64.4 47.9,61.75
  region net +3V3DC: 68.65,10.55 61.4,10.55 60.75,11.2 60.75,12.85 61.35,13.45 65.4,13.45 65.95,12.9 65.95,12 66.2,11.75 68.65,11.75 68.9,11.5 68.9,10.8
  pour cut-out: 33.2,35.405 32.744,35.405 33.2,34.949 33.2,34.9
  pour cut-out: 33.9,35.4 33.9,36.7 32,36.7 32,38.7 31.2,39.5 28.4,39.5 28.012,39.112 28.012,38.388 28.4,38 30.3,38 31.2,37.1 31.2,35.801 31.581,35.417
  pour cut-out: 32,37.1 32.4,36.7
  region net NetC6_1: 26.472,33.4 29.7,33.4 30,33.1 30,31.5 29.7,31.2 26.4,31.2 26.133,31.467 26.133,33.062
  region net NetC6_2: 22.6,33.4 24.9,33.4 25.9,32.4 25.9,27.6 25.2,26.9 21.6,26.9 20.7,27.8 20.7,30.5 21.09,30.89 21.79,30.89 22,31.1 22,32.002 22,32.8
  region net +12VDC: 17.9,35 21.1,35 21.4,34.7 24,34.7 24.2,34.5 24.2,34.1 24,33.9 21.5,33.9 21.3,33.7 21.3,33.2 21.1,33 17.9,33 17.6,33.3 17.6,34.7
  region net +12VDC: 18.3,47.5 16.15,49.65 13.3,49.65 12.3,48.65 12.3,43.65 14.1,41.85 17.35,41.85 18.4,42.9 18.4,44.8 19.2,45.6 20.505,45.6 20.9,45.995 20.9,47.1 20.5,47.5
  region net NetBR1_3: 27.85,53.55 28.4,53 28.4,51.4 27.85,50.85 23.4,50.85 22.9,51.35 22.9,53 23.45,53.55
Bottom Layer:
  region: 67.218,4.251 66.824,3.858 66.824,3.449 67.861,2.411 68.939,3.489 68.939,3.858 68.545,4.251
  region net +3V3DC: 68.564,10.54 68.957,10.934 68.957,11.343 67.92,12.38 66.843,11.303 66.843,10.934 67.236,10.54
  region net GND: 18.495,18.853 19.285,18.063 19.285,11.253 20.425,10.113 26.985,10.113 27.665,10.793 27.715,10.743 27.715,8.763 27.115,9.363 20.055,9.363 18.755,10.663 10.005,10.663 7.2,7.858 7.2,5.7 5.7,5.7 4.75,4.75 4.75,8.008 5.885,9.143 7.725,9.143 12.745,14.163 12.745,17.963 13.635,18.853
  region net +3V3DC_S: 75,21.7 75.4,21.3 77.8,21.3 78.05,21.55 78.05,26.1 77.65,26.5 75.3,26.5 75,26.2
  region net TEMP_ADC: 74.35,7.3 74.05,7 74.05,6.3 74.35,6 75.65,6 76.2,6.65 75.65,7.3
  region net GND_S: 74.25,10.25 74.05,10.05 74.05,9.35 74.4,9 76.05,9 76.45,8.6 76.45,8.05 76.95,7.55 80.85,7.55 82.525,9.225 81.8,9.95 76.05,9.95 75.75,10.25
  region net +3V3DC_S: 83.15,10.5 83.35,10.7 81.9,12.15 74.3,12.15 74,11.85 74,10.85 74.35,10.5
  region net +5VDC: 30,27.3 31,27.3 31.4,27.7 31.4,30.3 30.8,30.9 26.6,30.9 26.2,30.5 26.2,29.6 25.6,29 26.2,28.4 26.2,27.7 26.6,27.3 28,27.3 28.4,26.9 29.6,26.9
  region net +5VDC: 44.1,15.6 42.1,13.6 41,12.5 38.05,12.5 37.226,13.324 37.226,14.626 38.2,15.6
GROUND (plane layer: these items are gaps in the copper):
  rectangle: 67.1,8.65 68.75,10.75
  rectangle: 74.1,8.6 75.9,10.8
  rectangle: 14.435,15.083 14.905,15.603
  rectangle: 16.275,15.083 16.725,15.603
  rectangle: 15.355,14.203 15.815,14.683
  rectangle: 14.435,13.273 14.895,13.753
  rectangle: 16.245,13.213 16.745,13.753
  rectangle: -0.165,5.683 7.135,25.083
  rectangle: 11.85,54.4 45,94.25
  rectangle: 44.35,67.45 71,77.8
  rectangle: 0.2,76.8 71,93.95
  lines w1.143: 71.05,0.05 71.05,33.85
POWER (plane layer: these items are gaps in the copper):
  rectangle: -0.065,5.783 7.485,25.083
  rectangle: 44.3,67.65 70.95,78
  rectangle: 11.8,54.6 44.95,94.45
  rectangle: 0.15,77 70.95,94.15
  rectangle: 44.35,67.45 71,77.8
  rectangle: 0.2,76.8 71,93.95
  rectangle: 11.85,54.4 45,94.25
  lines w0.559: 12,42.9 14.9,40 14.9,33.5 16.5,31.9 20.2,31.9 21.8,33.5 21.8,36.8 18.7,39.9 18.7,43.1 21.3,45.7 46.95,45.7 59.85,58.6 63.9,58.6 69.7,64.4 69.7,67.6 68.6,68.7 66.9,68.7 65.6,67.4 65.6,65.6 62.25,62.25 53.05,62.25 49.9,65.4 49.9,67.4 48.6,68.7 46.2,68.7 45.75,68.25 45.75,68.1 44.85,67.2 44.85,53.95 42,51.1 14.1,51.1 12,49 12,42.9
  lines w0.762: 24.15,12.55 26.2,10.5 41.15,10.5 43.35,12.7 43.35,15.85 41.7,17.5 38.3,17.5 34.05,13.25 28.65,13.25 27.3,14.6 27.3,24.15 32.05,28.9 32.05,31 30.85,32.2 28.25,32.2 24.15,28.1 24.15,12.55
  lines w1.143: 71.05,0.05 71.05,33.9

## Silkscreen, mask and mechanical layers (free items; w line width, h text height)
Top Overlay:
  drawing of 1306 lines, arcs and shapes, not listed
  text "AC" at 5.154,92.204 h1.52
  text "12V" at 12.804,50.954 h1.52
  text "PROG." at 66.304,43.754 h1
  text "WiFi_sec._det._v01" at 91.083,16.05 h1 r90
  text "SENSOR" at 69.796,14.304 h1 r90
  text "5V" at 35.546,13.904 h1.52 r90
Bottom Overlay:
  drawing of 5780 lines, arcs and shapes, not listed
  text "TP_GND" at 76.95,31.883 h0.8
  text "MAIN" at 75.75,1.15 h0.7
Top Solder:
  drawing of 5 lines, arcs and shapes, not listed
Bottom Solder:
  region: 68.79,11.05 68.79,11.5 67.98,12.31 67.87,12.31 67.01,11.45 67.01,11.03
  region: 67.01,3.75 67.01,3.3 67.82,2.49 67.93,2.49 68.79,3.35 68.79,3.77
  region: 75.15,31.65 74.15,30.65 75.15,29.65 76.15,30.65
Drill Guide:
  the board outline again, w0.15
Route Tool Path:
  lines w0.3: 71.15,7.2 71.15,7.3 ; 71.15,7.8 71.15,7.9 ; 71.15,8.4 71.15,8.5 ; 71.15,9 71.15,9.1 ; 71.15,28.2 71.15,28.3 ; 71.15,28.8 71.15,28.9 ; 71.15,29.4 71.15,29.5 ; 71.15,30 71.15,30.1 ; 71.85,7.2 71.85,7.3 ; 71.85,7.8 71.85,7.9 ; 71.85,8.4 71.85,8.5 ; 71.85,9 71.85,9.1 ; 71.85,28.2 71.85,28.3 ; 71.85,28.8 71.85,28.9 ; 71.85,29.4 71.85,29.5 ; 71.85,30 71.85,30.1
  lines w1: 0.35,7.1 0.35,24.15 ; 1.1,24.3 1.2,24.3 1.2,7.35 ; 2,7.45 2.15,7.45 2.15,23.8 ; 71.5,0 71.5,6.3 ; 71.5,10 71.5,13.4 71.5,16.5 ; 71.5,17.8 71.5,17.85 ; 71.5,19.15 71.5,19.2 ; 71.5,20.5 71.5,23.9 71.5,27.3 ; 71.5,31 71.5,34.4 92.5,34.4 92.5,-0.5 89.55,-0.5 -0.5,-0.5 -0.5,1.75 -0.5,7.05 ; 71.5,34 71.5,94.5 -0.5,94.5 -0.5,24.35 ; -0.5,7.05 3.05,7.05 3.05,24.35 -0.5,24.35 ; -0.5,7.05 -0.5,24.35
Drill Drawing:
  drawing of 753 lines, arcs and shapes, not listed
  text "Symbol" at -22.093,172.412 h1.83
  text "Count" at -9.244,172.412 h1.83
  text "Hole Size" at 5.484,172.412 h1.83
  text "Plated" at 33.416,172.412 h1.83
  text "Hole Type" at 46.265,172.412 h1.83
  text "Drill Layer Pair" at 64.904,172.412 h1.83
  text "Via/Pad" at 102.993,172.412 h1.83
  text "Pad Shape" at 117.975,172.412 h1.83
  text "Template" at 136.918,172.412 h1.83
  text "Description" at 172.975,172.412 h1.83
  text "Hole Tolerance (+)" at 194.661,172.412 h1.83
  text "Hole Tolerance (-)" at 228.534,172.412 h1.83
  text "Hole Length" at 262.408,172.412 h1.83
  text "Routed Path Length" at 290.848,172.412 h1.83
  text "2" at -9.244,168.602 h1.52
  text "0.800mm (31.50mil)" at 5.484,168.602 h1.52
  text "PTH" at 33.416,168.602 h1.52
  text "Round" at 46.265,168.602 h1.52
  text "Top Layer - Bottom Layer" at 64.904,168.602 h1.52
  text "Pad" at 102.993,168.602 h1.52
  text "Rounded" at 117.975,168.602 h1.52
  text "c200h80m205" at 136.918,168.602 h1.52
  text "-" at 262.408,168.602 h1.52
  text "-" at 290.848,168.602 h1.52
  text "2" at -9.244,164.792 h1.52
  text "0.889mm (35.00mil)" at 5.484,164.792 h1.52
  text "PTH" at 33.416,164.792 h1.52
  text "Round" at 46.265,164.792 h1.52
  text "Top Layer - Bottom Layer" at 64.904,164.792 h1.52
  text "Pad" at 102.993,164.792 h1.52
  text "Rounded" at 117.975,164.792 h1.52
  text "c90h89m95" at 136.918,164.792 h1.52
  text "-" at 262.408,164.792 h1.52
  text "-" at 290.848,164.792 h1.52
  text "2" at -9.244,160.982 h1.52
  text "1.000mm (39.37mil)" at 5.484,160.982 h1.52
  text "PTH" at 33.416,160.982 h1.52
  text "Slot" at 46.265,160.982 h1.52
  text "Top Layer - Bottom Layer" at 64.904,160.982 h1.52
  text "Pad" at 102.993,160.982 h1.52
  text "Rounded" at 117.975,160.982 h1.52
  text "r400_200h100_300r100" at 136.918,160.982 h1.52
  text "3.000mm (118.11mil)" at 262.408,160.982 h1.52
  text "2.000mm (78.74mil)" at 290.848,160.982 h1.52
  text "2" at -9.244,157.172 h1.52
  text "1.100mm (43.31mil)" at 5.484,157.172 h1.52
  text "PTH" at 33.416,157.172 h1.52
  text "Round" at 46.265,157.172 h1.52
  text "Top Layer - Bottom Layer" at 64.904,157.172 h1.52
  text "Pad" at 102.993,157.172 h1.52
  text "Rounded" at 117.975,157.172 h1.52
  text "c200h110m205" at 136.918,157.172 h1.52
  text "-" at 262.408,157.172 h1.52
  text "-" at 290.848,157.172 h1.52
  text "2" at -9.244,153.362 h1.52
  text "1.200mm (47.24mil)" at 5.484,153.362 h1.52
  text "PTH" at 33.416,153.362 h1.52
  text "Slot" at 46.265,153.362 h1.52
  text "Top Layer - Bottom Layer" at 64.904,153.362 h1.52
  text "Pad" at 102.993,153.362 h1.52
  text "Rounded" at 117.975,153.362 h1.52
  text "r360_180h120_150r100" at 136.918,153.362 h1.52
  text "1.500mm (59.06mil)" at 262.408,153.362 h1.52
  text "0.300mm (11.81mil)" at 290.848,153.362 h1.52
  text "2" at -9.244,149.552 h1.52
  text "1.200mm (47.24mil)" at 5.484,149.552 h1.52
  text "PTH" at 33.416,149.552 h1.52
  text "Slot" at 46.265,149.552 h1.52
  text "Top Layer - Bottom Layer" at 64.904,149.552 h1.52
  text "Pad" at 102.993,149.552 h1.52
  text "Rounded" at 117.975,149.552 h1.52
  text "r400_200h120_300r100" at 136.918,149.552 h1.52
  text "3.000mm (118.11mil)" at 262.408,149.552 h1.52
  text "1.800mm (70.87mil)" at 290.848,149.552 h1.52
  text "2" at -9.244,145.742 h1.52
  text "2.100mm (82.68mil)" at 5.484,145.742 h1.52
  text "NPTH" at 33.416,145.742 h1.52
  text "Round" at 46.265,145.742 h1.52
  text "Top Layer - Bottom Layer" at 64.904,145.742 h1.52
  text "Pad" at 102.993,145.742 h1.52
  text "Rounded" at 117.975,145.742 h1.52
  text "c210hn210" at 136.918,145.742 h1.52
  text "-" at 262.408,145.742 h1.52
  text "-" at 290.848,145.742 h1.52
  text "3" at -9.244,141.932 h1.52
  text "0.500mm (19.69mil)" at 5.484,141.932 h1.52
  text "PTH" at 33.416,141.932 h1.52
  text "Round" at 46.265,141.932 h1.52
  text "Top Layer - Bottom Layer" at 64.904,141.932 h1.52
  text "Pad" at 102.993,141.932 h1.52
  text "Rounded" at 117.975,141.932 h1.52
  text "c100h50m105" at 136.918,141.932 h1.52
  text "-" at 262.408,141.932 h1.52
  text "-" at 290.848,141.932 h1.52
  text "6" at -9.244,138.122 h1.52
  text "1.750mm (68.90mil)" at 5.484,138.122 h1.52
  text "PTH" at 33.416,138.122 h1.52
  text "Round" at 46.265,138.122 h1.52
  text "Top Layer - Bottom Layer" at 64.904,138.122 h1.52
  text "Pad" at 102.993,138.122 h1.52
  text "Rounded" at 117.975,138.122 h1.52
  text "c300h175m305" at 136.918,138.122 h1.52
  text "-" at 262.408,138.122 h1.52
  text "-" at 290.848,138.122 h1.52
  text "10" at -9.244,134.312 h1.52
  text "1.000mm (39.37mil)" at 5.484,134.312 h1.52
  text "PTH" at 33.416,134.312 h1.52
  text "Round" at 46.265,134.312 h1.52
  text "Top Layer - Bottom Layer" at 64.904,134.312 h1.52
  text "Pad" at 102.993,134.312 h1.52
  text "(Mixed)" at 117.975,134.312 h1.52
  text "(Mixed)" at 136.918,134.312 h1.52
  text "-" at 262.408,134.312 h1.52
  text "-" at 290.848,134.312 h1.52
  text "10" at -9.244,130.502 h1.52
  text "1.300mm (51.18mil)" at 5.484,130.502 h1.52
  text "PTH" at 33.416,130.502 h1.52
  text "Round" at 46.265,130.502 h1.52
  text "Top Layer - Bottom Layer" at 64.904,130.502 h1.52
  text "Pad" at 102.993,130.502 h1.52
  text "Rounded" at 117.975,130.502 h1.52
  text "c250h130m255" at 136.918,130.502 h1.52
  text "-" at 262.408,130.502 h1.52
  text "-" at 290.848,130.502 h1.52
  text "12" at -9.244,126.692 h1.52
  text "0.200mm (7.87mil)" at 5.484,126.692 h1.52
  text "PTH" at 33.416,126.692 h1.52
  text "Round" at 46.265,126.692 h1.52
  text "Top Layer - Bottom Layer" at 64.904,126.692 h1.52
  text "Pad" at 102.993,126.692 h1.52
  text "Rounded" at 117.975,126.692 h1.52
  text "c30h20m35" at 136.918,126.692 h1.52
  text "-" at 262.408,126.692 h1.52
  text "-" at 290.848,126.692 h1.52
  text "12" at -9.244,122.882 h1.52
  text "0.900mm (35.43mil)" at 5.484,122.882 h1.52
  text "PTH" at 33.416,122.882 h1.52
  text "Round" at 46.265,122.882 h1.52
  text "Top Layer - Bottom Layer" at 64.904,122.882 h1.52
  text "Pad" at 102.993,122.882 h1.52
  text "Rounded" at 117.975,122.882 h1.52
  text "r120_170h90r100m125_175" at 136.918,122.882 h1.52
  text "-" at 262.408,122.882 h1.52
  text "-" at 290.848,122.882 h1.52
  text "13" at -9.244,119.072 h1.52
  text "0.300mm (11.81mil)" at 5.484,119.072 h1.52
  text "PTH" at 33.416,119.072 h1.52
  text "Round" at 46.265,119.072 h1.52
  text "Top Layer - Bottom Layer" at 64.904,119.072 h1.52
  text "Via" at 102.993,119.072 h1.52
  text "Rounded" at 117.975,119.072 h1.52
  text "(Mixed)" at 136.918,119.072 h1.52
  text "-" at 262.408,119.072 h1.52
  text "-" at 290.848,119.072 h1.52
  text "91" at -9.244,115.262 h1.52
  text "0.350mm (13.78mil)" at 5.484,115.262 h1.52
  text "PTH" at 33.416,115.262 h1.52
  text "Round" at 46.265,115.262 h1.52
  text "Top Layer - Bottom Layer" at 64.904,115.262 h1.52
  text "Via" at 102.993,115.262 h1.52
  text "Rounded" at 117.975,115.262 h1.52
  text "(Mixed)" at 136.918,115.262 h1.52
  text "-" at 262.408,115.262 h1.52
  text "-" at 290.848,115.262 h1.52
  text "171 Total" at -9.244,111.452 h1.52
  text "Slot definitions :" at -22.093,107.769 h1.52
  text "Routed Path Length" at 4.137,107.769 h1.52
  text "= Calculated from tool start centre position to tool end centre position." at 32.145,107.769 h1.52
  text "Hole Length" at 4.137,105.23 h1.52
  text "= Routed Path Length + Tool Size = Slot length as defined in the PCB layout" at 21.734,105.23 h1.52
  text "Layer" at 101.416,94.053 h1.5
  text "Name" at 111.697,94.053 h1.5
  text "Material" at 145.028,94.053 h1.5
  text "Thickness" at 160.068,94.053 h1.5
  text "Constant" at 176.362,94.053 h1.5
  text "Board Layer Stack" at 190.651,94.053 h1.5
  text "Top Overlay" at 111.697,91.046 h1.5
  text "Top Solder" at 111.697,88.038 h1.5
  text "SM-001" at 145.028,88.038 h1.5
  text "1.00mil" at 160.068,88.038 h1.5
  text "4" at 176.362,88.038 h1.5
  text "Top Surface Finish" at 111.697,85.031 h1.5
  text "PbSn" at 145.028,85.031 h1.5
  text "0.79mil" at 160.068,85.031 h1.5
  text "1" at 101.416,82.023 h1.5
  text "Top Layer" at 111.697,82.023 h1.5
  text "CF-004" at 145.028,82.023 h1.5
  text "1.38mil" at 160.068,82.023 h1.5
  text "Dielectric 1" at 111.697,79.016 h1.5
  text "PP-017" at 145.028,79.016 h1.5
  text "5.10mil" at 160.068,79.016 h1.5
  text "4.3" at 176.362,79.016 h1.5
  text "Dielectric 2" at 111.697,76.008 h1.5
  text "PP-017" at 145.028,76.008 h1.5
  text "5.10mil" at 160.068,76.008 h1.5
  text "4.3" at 176.362,76.008 h1.5
  text "2" at 101.416,73.001 h1.5
  text "GROUND" at 111.697,73.001 h1.5
  text "CF-004" at 145.028,73.001 h1.5
  text "1.38mil" at 160.068,73.001 h1.5
  text "Dielectric 3" at 111.697,69.993 h1.5
  text "Core-039" at 145.028,69.993 h1.5
  text "28.00mil" at 160.068,69.993 h1.5
  text "4.8" at 176.362,69.993 h1.5
  text "3" at 101.416,66.985 h1.5
  text "POWER" at 111.697,66.985 h1.5
  text "CF-004" at 145.028,66.985 h1.5
  text "1.38mil" at 160.068,66.985 h1.5
  text "Dielectric 4" at 111.697,63.978 h1.5
  text "PP-017" at 145.028,63.978 h1.5
  text "5.10mil" at 160.068,63.978 h1.5
  text "4.3" at 176.362,63.978 h1.5
  text "Dielectric 5" at 111.697,60.97 h1.5
  text "PP-017" at 145.028,60.97 h1.5
  text "5.10mil" at 160.068,60.97 h1.5
  text "4.3" at 176.362,60.97 h1.5
  text "4" at 101.416,57.963 h1.5
  text "Bottom Layer" at 111.697,57.963 h1.5
  text "CF-004" at 145.028,57.963 h1.5
  text "1.38mil" at 160.068,57.963 h1.5
  text "Bottom Surface Finish" at 111.697,54.955 h1.5
  text "PbSn" at 145.028,54.955 h1.5
  text "0.79mil" at 160.068,54.955 h1.5
  text "Bottom Solder" at 111.697,51.948 h1.5
  text "SM-001" at 145.028,51.948 h1.5
  text "1.00mil" at 160.068,51.948 h1.5
  text "4" at 176.362,51.948 h1.5
  text "Bottom Overlay" at 111.697,48.94 h1.5

## Text inside footprints (layer, text, board x,y; h text height)
BR1: Top Overlay "~" at 35.15,51.65 h1.5 r90; Top Overlay "~" at 35.25,46.65 h1.5 r90
J7: Top Overlay "1" at 69.9,13.4 h1.5 r90
J8: Bottom Overlay "1" at 72.3,12.95 h1.5 r270
S1: Top Overlay "G" at 78.2,28.2 h1; Top Overlay "S" at 84.2,28.3 h1; Top Overlay "D" at 81.7,24.5 h1
T1: Top Overlay "OUTPUT" at 39.5,53.35 h1; Top Overlay "INPUT" at 16.4,84.05 h1 r180